# Altium PCB MU_MP_39_V1.PcbDoc (part 1 of 15) (continued)
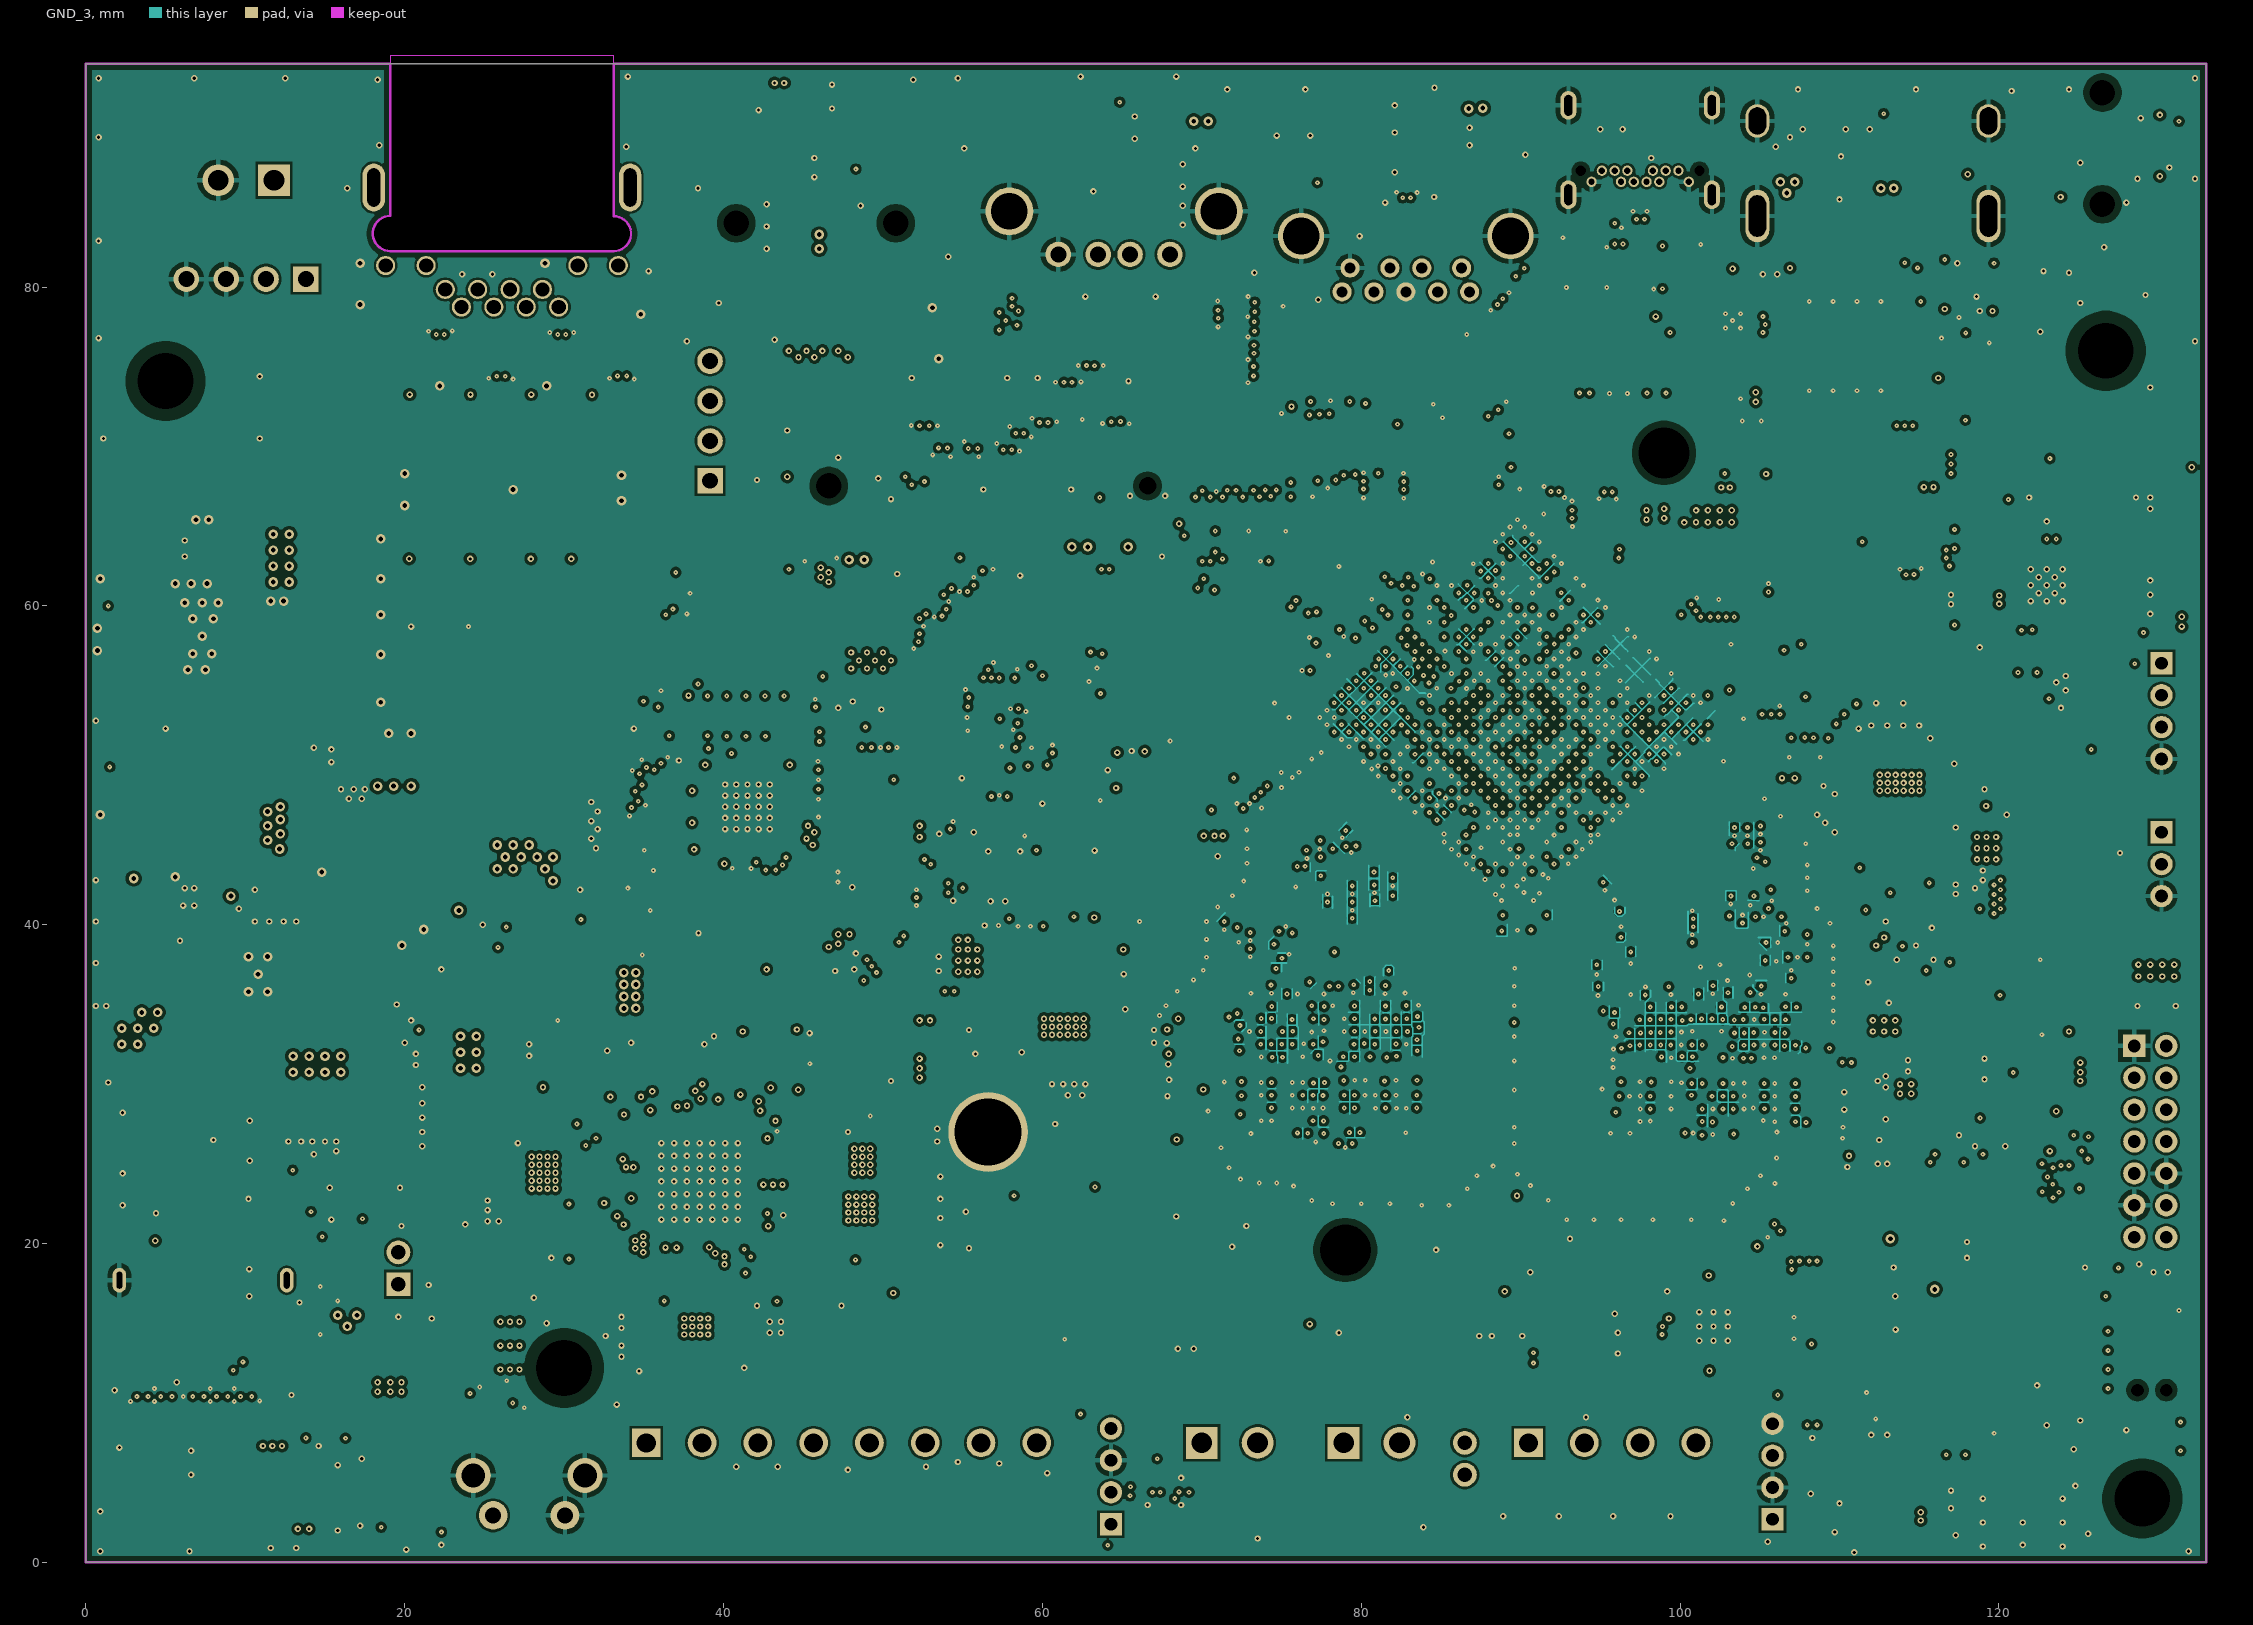
[diagram p7: GND_3]

## Layer stack, top to bottom
Top Solder: solder mask 0.025, Solder Resist, Dk 3.5
Top Layer: signal copper 0.045
Dielectric 6: prepreg 0.069, 1080 (Tg170), Dk 4.2
GND_1: signal copper 0.015
Dielectric 4: core 0.3, FR4 (Tg170), Dk 4.5
POWER_1: signal copper 0.015
Dielectric 2: prepreg 0.125, 2116 (Tg170), Dk 5.1
POWER_2: signal copper 0.015
Dielectric 1: core 0.3, FR4 (Tg170), Dk 4.5
GND_2: signal copper 0.015
Dielectric 3: prepreg 0.125, 2116 (Tg170), Dk 5.1
Inner_Layer: signal copper 0.015
Dielectric 5: core 0.3, FR4 (Tg170), Dk 4.5
GND_3: signal copper 0.015
Dielectric 7: prepreg 0.069, 1080 (Tg170), Dk 4.2
Bottom Layer: signal copper 0.045
Bottom Solder: solder mask 0.025, Solder Resist, Dk 3.5

## Board outline
0,0 0,94 133,94 133,0

## Design rules (kind name [scope] priority, off if disabled: settings)
BoardOutlineClearance [All] p1: gap=0.4 ignorepadtopadclearanceinfootprint=FALSE
Clearance Clearance_Type_C [InComponent('J5') vs InComponent('J5')] p1: gap=0.15 ignorepadtopadclearanceinfootprint=FALSE except(0: Arc-Hole Track-Hole SMDPad-Hole THPad-Hole Via-Hole Fill-Hole Poly-Hole Region-Hole Text-Hole; 0.08: Arc-Arc Arc-Track Arc-SMDPad Track-Track Track-SMDPad; 0.1: Arc-Via Arc-Text Track-Via Track-Text SMDPad-SMDPad SMDPad-Text THPad-THPad THPad-Text Via-Text Fill-Text Poly-Text Region-Text Text-Text; 0.2: Arc-THPad Track-THPad SMDPad-THPad)
Clearance Clearance_GNT_to_DiffP [InNet('GND') vs InAnyDifferentialPair] p2: gap=0.1 ignorepadtopadclearanceinfootprint=FALSE except(0: Arc-Hole Track-Hole SMDPad-Hole THPad-Hole Via-Hole Fill-Hole Poly-Hole Region-Hole Text-Hole; 0.08: Arc-Arc Arc-Track Arc-SMDPad Track-Track Track-SMDPad; 0.15: SMDPad-Via SMDPad-Fill SMDPad-Poly SMDPad-Region THPad-Fill THPad-Poly THPad-Region Fill-Fill Fill-Poly Fill-Region Poly-Poly Poly-Region Region-Region; 0.2: SMDPad-THPad THPad-THPad THPad-Via Via-Via Via-Fill Via-Poly Via-Region; 0.4: Arc-Fill Arc-Poly Arc-Region Track-Fill Track-Poly Track-Region)
Clearance [All] p3: gap=0.15 ignorepadtopadclearanceinfootprint=FALSE except(0: Arc-Hole Track-Hole SMDPad-Hole THPad-Hole Via-Hole Fill-Hole Poly-Hole Region-Hole Text-Hole; 0.08: Arc-Arc Arc-Track Arc-SMDPad Track-Track Track-SMDPad; 0.1: Arc-Via Arc-Text Track-Via Track-Text SMDPad-SMDPad SMDPad-Text THPad-Text Via-Text Fill-Text Poly-Text Region-Text Text-Text; 0.2: Arc-THPad Track-THPad SMDPad-THPad THPad-THPad THPad-Via Via-Via Via-Fill Via-Poly Via-Region)
Clearance Clearance_DifferentialPair_100 [InAnyDifferentialPair] p4: gap=0.15 ignorepadtopadclearanceinfootprint=FALSE except(0: Arc-Hole Track-Hole SMDPad-Hole THPad-Hole Via-Hole Fill-Hole Poly-Hole Region-Hole Text-Hole; 0.08: Arc-Arc Arc-Track Arc-SMDPad Track-Track Track-SMDPad; 0.1: Arc-Via Arc-Text Track-Via Track-Text SMDPad-SMDPad SMDPad-Text THPad-Text Via-Text Fill-Text Poly-Text Region-Text Text-Text; 0.2: Arc-THPad Track-THPad SMDPad-THPad THPad-THPad THPad-Via Via-Via Via-Fill Via-Poly Via-Region)
Clearance Clearance_DDR_03 [InNetClass('DDR_CLR_03')] p5: gap=0.15 ignorepadtopadclearanceinfootprint=FALSE except(0: Arc-Hole Track-Hole SMDPad-Hole THPad-Hole Via-Hole Fill-Hole Poly-Hole Region-Hole Text-Hole; 0.08: Arc-SMDPad Track-SMDPad; 0.1: Arc-Via Arc-Text Track-Via Track-Text SMDPad-SMDPad SMDPad-Text THPad-Text Via-Text Fill-Text Poly-Text Region-Text Text-Text; 0.2: Arc-Arc Arc-Track Arc-THPad Track-Track Track-THPad SMDPad-THPad THPad-THPad THPad-Via Via-Via Via-Fill Via-Poly Via-Region)
Clearance Clearance_DDR_02 [InNetClass('DDR_CLR_02')] p6: gap=0.15 ignorepadtopadclearanceinfootprint=FALSE except(0: Arc-Hole Track-Hole SMDPad-Hole THPad-Hole Via-Hole Fill-Hole Poly-Hole Region-Hole Text-Hole; 0.08: Arc-SMDPad Track-SMDPad; 0.1: Arc-Via Arc-Text Track-Via Track-Text SMDPad-SMDPad SMDPad-Text THPad-Text Via-Text Fill-Text Poly-Text Region-Text Text-Text; 0.2: Arc-Arc Arc-Track Arc-THPad Track-Track Track-THPad SMDPad-THPad THPad-THPad THPad-Via Via-Via Via-Fill Via-Poly Via-Region)
Clearance Clearance_USB3 [InNetClass('USB3')] p7: gap=0.15 ignorepadtopadclearanceinfootprint=FALSE except(0: Arc-Hole Track-Hole SMDPad-Hole THPad-Hole Via-Hole Fill-Hole Poly-Hole Region-Hole Text-Hole; 0.08: Arc-SMDPad Track-SMDPad; 0.1: Arc-Arc Arc-Track Arc-Via Arc-Text Track-Track Track-Via Track-Text SMDPad-SMDPad SMDPad-Text THPad-Text Via-Text Fill-Text Poly-Text Region-Text Text-Text; 0.2: Arc-THPad Track-THPad SMDPad-THPad THPad-THPad THPad-Via Via-Via Via-Fill Via-Poly Via-Region)
Clearance Clearance_LVDS [InNetClass('LVDS')] p8: gap=0.15 ignorepadtopadclearanceinfootprint=FALSE except(0: Arc-Hole Track-Hole SMDPad-Hole THPad-Hole Via-Hole Fill-Hole Poly-Hole Region-Hole Text-Hole; 0.08: Arc-Arc Arc-Track Arc-SMDPad Track-Track Track-SMDPad; 0.1: Arc-THPad Arc-Via Arc-Text Track-THPad Track-Via Track-Text SMDPad-SMDPad SMDPad-Text THPad-Text Via-Text Fill-Text Poly-Text Region-Text Text-Text; 0.2: SMDPad-THPad THPad-THPad THPad-Via Via-Via Via-Fill Via-Poly Via-Region)
Clearance Clearance_MIPI_DSI_D0 [InNetClass('MIPI_DSI_DO')] p9: gap=0.15 ignorepadtopadclearanceinfootprint=FALSE except(0: Arc-Hole Track-Hole SMDPad-Hole THPad-Hole Via-Hole Fill-Hole Poly-Hole Region-Hole Text-Hole; 0.08: Arc-Arc Arc-Track Arc-SMDPad Track-Track Track-SMDPad; 0.1: Arc-THPad Arc-Via Arc-Text Track-THPad Track-Via Track-Text SMDPad-SMDPad SMDPad-Text THPad-Text Via-Text Fill-Text Poly-Text Region-Text Text-Text; 0.2: SMDPad-THPad THPad-THPad THPad-Via Via-Via Via-Fill Via-Poly Via-Region)
Clearance Clearance_EDP [InNetClass('EDP_NETS')] p10: gap=0.15 ignorepadtopadclearanceinfootprint=FALSE except(0: Arc-Hole Track-Hole SMDPad-Hole THPad-Hole Via-Hole Fill-Hole Poly-Hole Region-Hole Text-Hole; 0.08: Arc-Arc Arc-Track Arc-SMDPad Track-Track Track-SMDPad; 0.1: Arc-THPad Arc-Via Arc-Text Track-THPad Track-Via Track-Text SMDPad-SMDPad SMDPad-Text THPad-Text Via-Text Fill-Text Poly-Text Region-Text Text-Text; 0.2: SMDPad-THPad THPad-THPad THPad-Via Via-Via Via-Fill Via-Poly Via-Region)
Clearance Clearance_EMMC_TOP [InNetClass('EMMC') vs OnLayer('Top Layer')] p11: gap=0.15 ignorepadtopadclearanceinfootprint=FALSE except(0: Arc-Hole Track-Hole SMDPad-Hole THPad-Hole Via-Hole Fill-Hole Poly-Hole Region-Hole Text-Hole; 0.08: Arc-Arc Arc-Track Arc-SMDPad Track-Track Track-SMDPad; 0.1: Arc-Via Arc-Text Track-Via Track-Text SMDPad-SMDPad SMDPad-Text THPad-Text Via-Text Fill-Text Poly-Text Region-Text Text-Text; 0.2: Arc-THPad Track-THPad SMDPad-THPad THPad-THPad THPad-Via Via-Via Via-Fill Via-Poly Via-Region)
Clearance Clearance_EMMC_GND [InNetClass('EMMC') vs InNet('GND')] p12: gap=0.15 ignorepadtopadclearanceinfootprint=FALSE except(0: Arc-Hole Track-Hole SMDPad-Hole THPad-Hole Via-Hole Fill-Hole Poly-Hole Region-Hole Text-Hole; 0.08: Arc-SMDPad Track-SMDPad; 0.1: Arc-Via Arc-Text Track-Via Track-Text SMDPad-SMDPad SMDPad-Text THPad-Text Via-Text Fill-Text Poly-Text Region-Text Text-Text; 0.2: Arc-THPad Track-THPad SMDPad-THPad THPad-THPad THPad-Via Via-Via Via-Fill Via-Poly Via-Region; 0.26: Arc-Arc Arc-Track Arc-Fill Arc-Poly Arc-Region Track-Track Track-Fill Track-Poly Track-Region)
Clearance Clearance_EMMC [InNetClass('EMMC') vs InNetClass('EMMC')] p13: gap=0.15 ignorepadtopadclearanceinfootprint=FALSE except(0: Arc-Hole Track-Hole SMDPad-Hole THPad-Hole Via-Hole Fill-Hole Poly-Hole Region-Hole Text-Hole; 0.08: Arc-SMDPad Track-SMDPad; 0.1: Arc-Via Arc-Text Track-Via Track-Text SMDPad-SMDPad SMDPad-Text THPad-Text Via-Text Fill-Text Poly-Text Region-Text Text-Text; 0.2: Arc-THPad Track-THPad SMDPad-THPad THPad-THPad THPad-Via Via-Via Via-Fill Via-Poly Via-Region; 0.26: Arc-Arc Arc-Track Track-Track)
Clearance Clearance_EMMC_Other [InNetClass('EMMC')] p14: gap=0.15 ignorepadtopadclearanceinfootprint=FALSE except(0: Arc-Hole Track-Hole SMDPad-Hole THPad-Hole Via-Hole Fill-Hole Poly-Hole Region-Hole Text-Hole; 0.08: Arc-SMDPad Track-SMDPad; 0.1: Arc-Via Arc-Text Track-Via Track-Text SMDPad-SMDPad SMDPad-Text THPad-Text Via-Text Fill-Text Poly-Text Region-Text Text-Text; 0.2: Arc-THPad Track-THPad SMDPad-THPad THPad-THPad THPad-Via Via-Via Via-Fill Via-Poly Via-Region; 0.3: Arc-Fill Arc-Poly Arc-Region Track-Fill Track-Poly Track-Region; 0.4: Arc-Arc Arc-Track Track-Track)
Clearance Clearance_All_DDR [InNetClass('DDR_NETS')] p15: gap=0.15 ignorepadtopadclearanceinfootprint=FALSE except(0: Arc-Hole Track-Hole SMDPad-Hole THPad-Hole Via-Hole Fill-Hole Poly-Hole Region-Hole Text-Hole; 0.08: Arc-SMDPad Track-SMDPad; 0.1: Arc-THPad Arc-Via Arc-Text Track-THPad Track-Via Track-Text SMDPad-SMDPad SMDPad-Text THPad-Text Via-Text Fill-Text Poly-Text Region-Text Text-Text; 0.2: Arc-Arc Arc-Track Track-Track SMDPad-THPad THPad-THPad THPad-Via Via-Via Via-Fill Via-Poly Via-Region)
Clearance Clearance_outer_via_bot [OnLayer('Bottom Layer') vs OnLayer('Bottom Layer')] p16: gap=0.15 ignorepadtopadclearanceinfootprint=FALSE except(0: Arc-Hole Track-Hole SMDPad-Hole THPad-Hole Via-Hole Fill-Hole Poly-Hole Region-Hole Text-Hole; 0.08: Arc-Arc Arc-Track Arc-SMDPad Track-Track Track-SMDPad; 0.1: Arc-Via Arc-Text Track-Via Track-Text SMDPad-SMDPad SMDPad-Text THPad-Text Via-Text Fill-Text Poly-Text Region-Text Text-Text; 0.2: Arc-THPad Track-THPad SMDPad-THPad THPad-THPad Via-Fill Via-Poly Via-Region)
Clearance Clearance_outer_via_top [OnLayer('Top Layer') vs OnLayer('Top Layer')] p17: gap=0.15 ignorepadtopadclearanceinfootprint=FALSE except(0: Arc-Hole Track-Hole SMDPad-Hole THPad-Hole Via-Hole Fill-Hole Poly-Hole Region-Hole Text-Hole; 0.08: Arc-Arc Arc-Track Arc-SMDPad Track-Track Track-SMDPad; 0.1: Arc-Via Arc-Text Track-Via Track-Text SMDPad-SMDPad SMDPad-Text THPad-Text Via-Text Fill-Text Poly-Text Region-Text Text-Text; 0.2: Arc-THPad Track-THPad SMDPad-THPad THPad-THPad)
DiffPairsRouting DiffPairsRouting_90_Ohms [InDifferentialPairClass('DiffPair_90_Ohms')] p1: maxlimit=0.12 minlimit=0.11 mostfreqgap=0.12 toplayer_maxgap=0.11 toplayer_prefgap=0.11 toplayer_minwidth=0.09 toplayer_maxwidth=0.09 toplayer_prefwidth=0.09 midlayer1_mingap=0.12 midlayer1_minwidth=0.11 midlayer1_maxwidth=0.11 midlayer1_prefwidth=0.11 midlayer2_mingap=0.12 midlayer2_minwidth=0.11 midlayer2_maxwidth=0.11 midlayer2_prefwidth=0.11 midlayer3_mingap=0.12 midlayer3_minwidth=0.11 midlayer3_maxwidth=0.11 midlayer3_prefwidth=0.11 midlayer4_mingap=0.12 midlayer4_minwidth=0.11 midlayer4_maxwidth=0.11 midlayer4_prefwidth=0.11 midlayer5_mingap=0.12 midlayer5_minwidth=0.11 midlayer5_maxwidth=0.11 midlayer5_prefwidth=0.11 midlayer6_mingap=0.12 midlayer6_minwidth=0.11 midlayer6_maxwidth=0.11 midlayer6_prefwidth=0.11 bottomlayer_maxgap=0.11 bottomlayer_prefgap=0.11 bottomlayer_minwidth=0.09 bottomlayer_maxwidth=0.09 bottomlayer_prefwidth=0.09 maxuncoupledlength=12.7
DiffPairsRouting [InDifferentialPairClass('DiffPair_1')] p2: maxlimit=0.15 minlimit=0.13 mostfreqgap=0.13 toplayer_mingap=0.15 toplayer_prefgap=0.15 toplayer_minwidth=0.08 toplayer_maxwidth=0.08 toplayer_prefwidth=0.08 midlayer1_maxgap=0.13 midlayer1_minwidth=0.09 midlayer1_maxwidth=0.09 midlayer1_prefwidth=0.09 midlayer2_maxgap=0.13 midlayer2_minwidth=0.09 midlayer2_maxwidth=0.09 midlayer2_prefwidth=0.09 midlayer3_maxgap=0.13 midlayer3_minwidth=0.09 midlayer3_maxwidth=0.09 midlayer3_prefwidth=0.09 midlayer4_maxgap=0.13 midlayer4_minwidth=0.09 midlayer4_maxwidth=0.09 midlayer4_prefwidth=0.09 midlayer5_maxgap=0.13 midlayer5_minwidth=0.09 midlayer5_maxwidth=0.09 midlayer5_prefwidth=0.09 midlayer6_maxgap=0.13 midlayer6_minwidth=0.09 midlayer6_maxwidth=0.09 midlayer6_prefwidth=0.09 bottomlayer_mingap=0.15 bottomlayer_prefgap=0.15 bottomlayer_minwidth=0.08 bottomlayer_maxwidth=0.08 bottomlayer_prefwidth=0.08 maxuncoupledlength=12.7
FanoutControl Fanout_BGA [IsBGA] p1: bgadir=Out bgaviamode=Centered fanoutstyle=Rows fanoutdirection=Alternating viagrid=0.025 // Fanout_BGA (Default Rule)
HoleSize [All] p1: absolutevalues=TRUE maxlimit=5 minlimit=0.1 maxpercent=80.000 minpercent=20.000
HoleToHoleClearance [All] p1: gap=0.2 allowstackedmicrovias=TRUE
MatchedLengths MatchedLengths_PCIe [InxSignalClass('PCIe')] p1: tolerance=1.2 checknetsindiffpair=TRUE checkdiffpairvsdiffpair=FALSE checkxsignals=FALSE checkothers=FALSE
MatchedLengths MatchedLengths_eDP [InxSignalClass('eDP')] p2: tolerance=1 checknetsindiffpair=FALSE checkdiffpairvsdiffpair=TRUE checkxsignals=TRUE checkothers=TRUE
MatchedLengths MatchedLengths_EMMC [InxSignalClass('EMMC')] p3: tolerance=0.2 checknetsindiffpair=FALSE checkdiffpairvsdiffpair=TRUE checkxsignals=TRUE checkothers=TRUE
MatchedLengths MatchedLengths_USB2_0 [InxSignalClass('USB2_0')] p4: tolerance=1.2 checknetsindiffpair=TRUE checkdiffpairvsdiffpair=FALSE checkxsignals=FALSE checkothers=FALSE
MatchedLengths MatchedLengths_USB2_1 [InxSignalClass('USB2_1')] p5: tolerance=0.15 checknetsindiffpair=TRUE checkdiffpairvsdiffpair=FALSE checkxsignals=FALSE checkothers=FALSE usedelayunits=TRUE delaytolerance=4.000000
MatchedLengths MatchedLengths_TypeC [InxSignalClass('TYPEC0')] p6: tolerance=1 checknetsindiffpair=TRUE checkdiffpairvsdiffpair=FALSE checkxsignals=FALSE checkothers=FALSE
MatchedLengths MatchedLengths_USB_3 [InxSignalClass('TYPEC1')] p7: tolerance=0.15 checknetsindiffpair=TRUE checkdiffpairvsdiffpair=FALSE checkxsignals=FALSE checkothers=FALSE usedelayunits=TRUE delaytolerance=4.000000
MatchedLengths MatchedLengths_HDMI [InxSignalClass('HDMI')] p8: tolerance=1 checknetsindiffpair=TRUE checkdiffpairvsdiffpair=FALSE checkxsignals=FALSE checkothers=FALSE
MatchedLengths MatchLengths_xSignals_U1_D18_1 [InxSignalClass('xSignals_U1_D18_MatchLengthsClass')] p9: tolerance=3.2 checknetsindiffpair=FALSE checkdiffpairvsdiffpair=TRUE checkxsignals=TRUE checkothers=TRUE
MatchedLengths MatchLengths_xSignals_U1_D18 [InxSignalClass('xSignals_U1_D18_MatchLengthsClass')] p10: tolerance=3.2 checknetsindiffpair=FALSE checkdiffpairvsdiffpair=TRUE checkxsignals=TRUE checkothers=TRUE
MatchedLengths MatchLengths_xSignals_U1_D14_4 [InxSignalClass('xSignals_U1_D14_MatchLengthsClass')] p11: tolerance=0.16 checknetsindiffpair=FALSE checkdiffpairvsdiffpair=TRUE checkxsignals=TRUE checkothers=TRUE
MatchedLengths MatchLengths_xSignals_U1_D14_3 [InxSignalClass('xSignals_U1_D14_MatchLengthsClass')] p12: tolerance=0.16 checknetsindiffpair=FALSE checkdiffpairvsdiffpair=TRUE checkxsignals=TRUE checkothers=TRUE
MatchedLengths DDR0_D8_D15 [InxSignalClass('xSignals_U1_D14_MatchLengthsClass')] p13: tolerance=0.16 checknetsindiffpair=FALSE checkdiffpairvsdiffpair=TRUE checkxsignals=TRUE checkothers=TRUE
MatchedLengths MatchLengths_xSignals_U1_D14_2 [InxSignalClass('xSignals_U1_D14_MatchLengthsClass')] p14: tolerance=0.16 checknetsindiffpair=FALSE checkdiffpairvsdiffpair=TRUE checkxsignals=TRUE checkothers=TRUE
MatchedLengths MatchLengths_xSignals_U1_D14_1 [InxSignalClass('xSignals_U1_D14_MatchLengthsClass')] p15: tolerance=0.16 checknetsindiffpair=FALSE checkdiffpairvsdiffpair=TRUE checkxsignals=TRUE checkothers=TRUE
MatchedLengths MatchLengths_xSignals_U1_D14 [InxSignalClass('xSignals_U1_D14_MatchLengthsClass')] p16: tolerance=0.3 checknetsindiffpair=FALSE checkdiffpairvsdiffpair=TRUE checkxsignals=TRUE checkothers=TRUE
MatchedLengths MatchedLengths_DDR_CLOCKS_STROBES_7 [All] p17: tolerance=0.25 checknetsindiffpair=TRUE checkdiffpairvsdiffpair=FALSE checkxsignals=FALSE checkothers=FALSE
MatchedLengths MatchedLengths_DDR_CLOCKS_STROBES_6 [InxSignalClass('ADDR_PP1_1') OR InxSignalClass('ADDR_PP2_1') OR InxSignalClass('DATA_BL0_1') OR InxSignalClass('DATA_BL1_1') OR InxSignalClass('DATA_BL2_1') OR InxSignalClass('DATA_BL3_1')] p18: tolerance=0.25 checknetsindiffpair=TRUE checkdiffpairvsdiffpair=FALSE checkxsignals=FALSE checkothers=FALSE
MatchedLengths MatchedLengths_DATA_BL3_1_1 [InxSignalClass('DATA_BL3_1')] p19: tolerance=0.5 checknetsindiffpair=FALSE checkdiffpairvsdiffpair=TRUE checkxsignals=TRUE checkothers=TRUE
MatchedLengths MatchedLengths_DATA_BL2_1_1 [InxSignalClass('DATA_BL2_1')] p20: tolerance=0.5 checknetsindiffpair=FALSE checkdiffpairvsdiffpair=TRUE checkxsignals=TRUE checkothers=TRUE
MatchedLengths MatchedLengths_DATA_BL1_1_1 [InxSignalClass('DATA_BL1_1')] p21: tolerance=0.5 checknetsindiffpair=FALSE checkdiffpairvsdiffpair=TRUE checkxsignals=TRUE checkothers=TRUE
MatchedLengths MatchedLengths_DATA_BL0_1_1 [InxSignalClass('DATA_BL0_1')] p22: tolerance=0.5 checknetsindiffpair=FALSE checkdiffpairvsdiffpair=TRUE checkxsignals=TRUE checkothers=TRUE
MatchedLengths MatchedLengths_ADDR_PP2_1_1 [InxSignalClass('ADDR_PP2_1')] p23: tolerance=2 checknetsindiffpair=FALSE checkdiffpairvsdiffpair=TRUE checkxsignals=TRUE checkothers=TRUE
MatchedLengths MatchedLengths_ADDR_PP1_1_1 [InxSignalClass('ADDR_PP1_1')] p24: tolerance=2 checknetsindiffpair=FALSE checkdiffpairvsdiffpair=TRUE checkxsignals=TRUE checkothers=TRUE
MatchedLengths MatchedLengths_DDR_CLOCKS_STROBES_5 [InxSignalClass('ADDR_PP1') OR InxSignalClass('ADDR_PP2') OR InxSignalClass('DATA_BL0') OR InxSignalClass('DATA_BL1') OR InxSignalClass('DATA_BL2') OR InxSignalClass('DATA_BL3')] p25: tolerance=0.25 checknetsindiffpair=TRUE checkdiffpairvsdiffpair=FALSE checkxsignals=FALSE checkothers=FALSE
MatchedLengths MatchedLengths_DATA_BL3_5 [InxSignalClass('DATA_BL3')] p26: tolerance=0.5 checknetsindiffpair=FALSE checkdiffpairvsdiffpair=TRUE checkxsignals=TRUE checkothers=TRUE
MatchedLengths MatchedLengths_DATA_BL2_5 [InxSignalClass('DATA_BL2')] p27: tolerance=0.5 checknetsindiffpair=FALSE checkdiffpairvsdiffpair=TRUE checkxsignals=TRUE checkothers=TRUE
MatchedLengths MatchedLengths_DATA_BL1_5 [InxSignalClass('DATA_BL1')] p28: tolerance=0.5 checknetsindiffpair=FALSE checkdiffpairvsdiffpair=TRUE checkxsignals=TRUE checkothers=TRUE
MatchedLengths MatchedLengths_DATA_BL0_5 [InxSignalClass('DATA_BL0')] p29: tolerance=0.5 checknetsindiffpair=FALSE checkdiffpairvsdiffpair=TRUE checkxsignals=TRUE checkothers=TRUE
MatchedLengths MatchedLengths_ADDR_PP2_5 [InxSignalClass('ADDR_PP2')] p30: tolerance=2 checknetsindiffpair=FALSE checkdiffpairvsdiffpair=TRUE checkxsignals=TRUE checkothers=TRUE
MatchedLengths MatchedLengths_ADDR_PP1_5 [InxSignalClass('ADDR_PP1')] p31: tolerance=2 checknetsindiffpair=FALSE checkdiffpairvsdiffpair=TRUE checkxsignals=TRUE checkothers=TRUE
MatchedLengths MatchedLengths_DDR_CLOCKS_STROBES_4 [InxSignalClass('ADDR_PP1') OR InxSignalClass('ADDR_PP2') OR InxSignalClass('DATA_BL0') OR InxSignalClass('DATA_BL1') OR InxSignalClass('DATA_BL2') OR InxSignalClass('DATA_BL3')] p32: tolerance=0.25 checknetsindiffpair=TRUE checkdiffpairvsdiffpair=FALSE checkxsignals=FALSE checkothers=FALSE
MatchedLengths MatchedLengths_DATA_BL3_4 [InxSignalClass('DATA_BL3')] p33: tolerance=0.5 checknetsindiffpair=FALSE checkdiffpairvsdiffpair=TRUE checkxsignals=TRUE checkothers=TRUE
MatchedLengths MatchedLengths_DATA_BL2_4 [InxSignalClass('DATA_BL2')] p34: tolerance=0.5 checknetsindiffpair=FALSE checkdiffpairvsdiffpair=TRUE checkxsignals=TRUE checkothers=TRUE
MatchedLengths MatchedLengths_DATA_BL1_4 [InxSignalClass('DATA_BL1')] p35: tolerance=0.5 checknetsindiffpair=FALSE checkdiffpairvsdiffpair=TRUE checkxsignals=TRUE checkothers=TRUE
MatchedLengths MatchedLengths_DATA_BL0_4 [InxSignalClass('DATA_BL0')] p36: tolerance=0.5 checknetsindiffpair=FALSE checkdiffpairvsdiffpair=TRUE checkxsignals=TRUE checkothers=TRUE
MatchedLengths MatchedLengths_ADDR_PP2_4 [InxSignalClass('ADDR_PP2')] p37: tolerance=2 checknetsindiffpair=FALSE checkdiffpairvsdiffpair=TRUE checkxsignals=TRUE checkothers=TRUE
MatchedLengths MatchedLengths_ADDR_PP1_4 [InxSignalClass('ADDR_PP1')] p38: tolerance=2 checknetsindiffpair=FALSE checkdiffpairvsdiffpair=TRUE checkxsignals=TRUE checkothers=TRUE
MatchedLengths MatchedLengths_DDR_CLOCKS_STROBES_3 [InxSignalClass('ADDR_PP1') OR InxSignalClass('ADDR_PP2') OR InxSignalClass('DATA_BL0') OR InxSignalClass('DATA_BL1') OR InxSignalClass('DATA_BL2') OR InxSignalClass('DATA_BL3')] p39: tolerance=0.25 checknetsindiffpair=TRUE checkdiffpairvsdiffpair=FALSE checkxsignals=FALSE checkothers=FALSE
MatchedLengths MatchedLengths_DATA_BL3_3 [InxSignalClass('DATA_BL3')] p40: tolerance=0.5 checknetsindiffpair=FALSE checkdiffpairvsdiffpair=TRUE checkxsignals=TRUE checkothers=TRUE
MatchedLengths MatchedLengths_DATA_BL2_3 [InxSignalClass('DATA_BL2')] p41: tolerance=0.5 checknetsindiffpair=FALSE checkdiffpairvsdiffpair=TRUE checkxsignals=TRUE checkothers=TRUE
MatchedLengths MatchedLengths_DATA_BL1_3 [InxSignalClass('DATA_BL1')] p42: tolerance=0.5 checknetsindiffpair=FALSE checkdiffpairvsdiffpair=TRUE checkxsignals=TRUE checkothers=TRUE
MatchedLengths MatchedLengths_DATA_BL0_3 [InxSignalClass('DATA_BL0')] p43: tolerance=0.5 checknetsindiffpair=FALSE checkdiffpairvsdiffpair=TRUE checkxsignals=TRUE checkothers=TRUE
MatchedLengths MatchedLengths_ADDR_PP2_3 [InxSignalClass('ADDR_PP2')] p44: tolerance=1.5 checknetsindiffpair=FALSE checkdiffpairvsdiffpair=TRUE checkxsignals=TRUE checkothers=TRUE